# KiCad board Keyboard.kicad_pcb (continued)
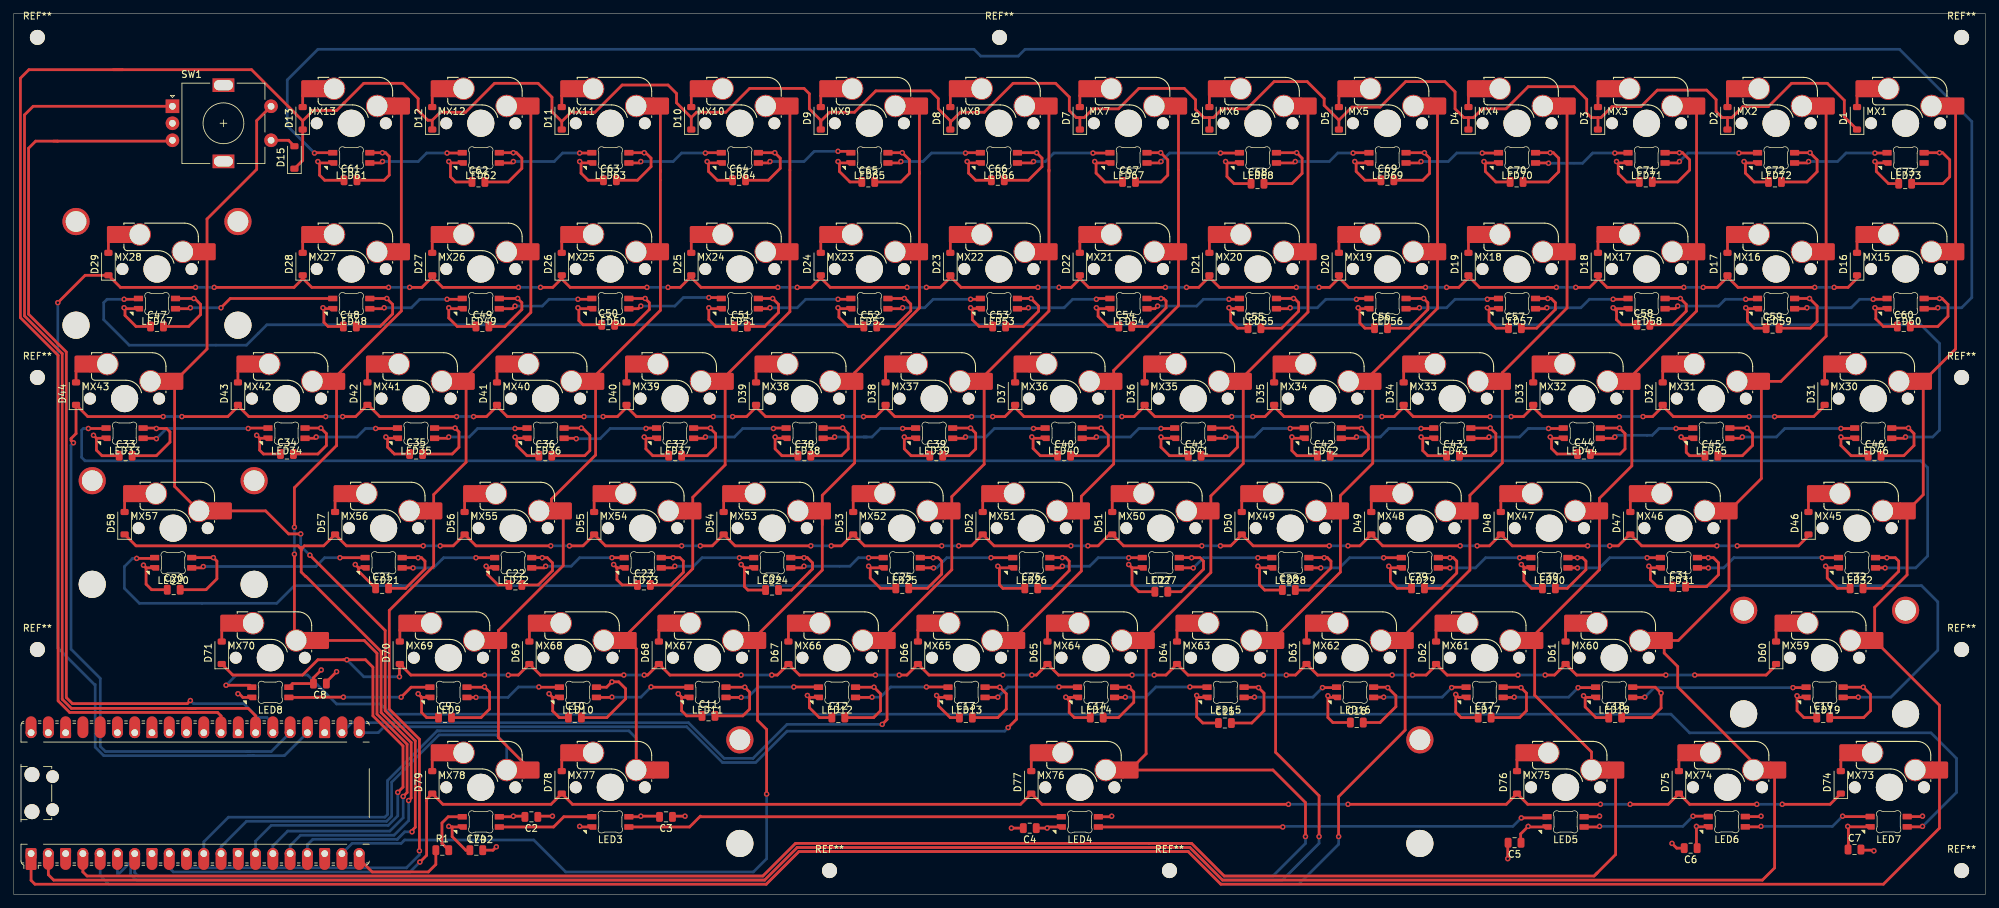
[diagram p0: board, top side]
## Nets
+5V: A1.40 C2.2 C3.2 C4.2 C5.2 C6.2 C7.2 C8.2 C9.2 C10.2 C11.2 C12.2 C13.2 C14.2 C15.2 C16.2 C17.2 C18.2 C19.2 C20.2 C21.2 C22.2 C23.2 C24.2 C25.2 C26.2 C27.2 C28.2 C29.2 C30.2 C31.2 C32.2 C33.2 C34.2 C35.2 C36.2 C37.2 C38.2 C39.2 C40.2 C41.2 C42.2 C43.2 C44.2 C45.2 C46.2 C47.2 C48.2 C49.2 C50.2 C51.2 C52.2 C53.2 C54.2 C55.2 C56.2 C57.2 C58.2 C59.2 C60.2 C61.2 C62.2 C63.2 C64.2 C65.2 C66.2 C67.2 C68.2 C69.2 C70.2 C71.2 C72.2 C73.2 C74.2 LED2.1 LED3.1 LED4.1 LED5.1 LED6.1 LED7.1 LED8.1 LED9.1 LED10.1 LED11.1 LED12.1 LED13.1 LED14.1 LED15.1 LED16.1 LED17.1 LED18.1 LED19.1 LED20.1 LED21.1 LED22.1 LED23.1 LED24.1 LED25.1 LED26.1 LED27.1 LED28.1 LED29.1 LED30.1 LED31.1 LED32.1 LED33.1 LED34.1 LED35.1 LED36.1 LED37.1 LED38.1 LED39.1 LED40.1 LED41.1 LED42.1 LED43.1 LED44.1 LED45.1 LED46.1 LED47.1 LED48.1 LED49.1 LED50.1 LED51.1 LED52.1 LED53.1 LED54.1 LED55.1 LED56.1 LED57.1 LED58.1 LED59.1 LED60.1 LED61.1 LED62.1 LED63.1 LED64.1 LED65.1 LED66.1 LED67.1 LED68.1 LED69.1 LED70.1 LED71.1 LED72.1 LED73.1
GND: A1.3 A1.8 A1.13 A1.18 A1.23 A1.28 A1.33 A1.38 C2.1 C3.1 C4.1 C5.1 C6.1 C7.1 C8.1 C9.1 C10.1 C11.1 C12.1 C13.1 C14.1 C15.1 C16.1 C17.1 C18.1 C19.1 C20.1 C21.1 C22.1 C23.1 C24.1 C25.1 C26.1 C27.1 C28.1 C29.1 C30.1 C31.1 C32.1 C33.1 C34.1 C35.1 C36.1 C37.1 C38.1 C39.1 C40.1 C41.1 C42.1 C43.1 C44.1 C45.1 C46.1 C47.1 C48.1 C49.1 C50.1 C51.1 C52.1 C53.1 C54.1 C55.1 C56.1 C57.1 C58.1 C59.1 C60.1 C61.1 C62.1 C63.1 C64.1 C65.1 C66.1 C67.1 C68.1 C69.1 C70.1 C71.1 C72.1 C73.1 C74.1 LED2.4 LED3.4 LED4.4 LED5.4 LED6.4 LED7.4 LED8.4 LED9.4 LED10.4 LED11.4 LED12.4 LED13.4 LED14.4 LED15.4 LED16.4 LED17.4 LED18.4 LED19.4 LED20.4 LED21.4 LED22.4 LED23.4 LED24.4 LED25.4 LED26.4 LED27.4 LED28.4 LED29.4 LED30.4 LED31.4 LED32.4 LED33.4 LED34.4 LED35.4 LED36.4 LED37.4 LED38.4 LED39.4 LED40.4 LED41.4 LED42.4 LED43.4 LED44.4 LED45.4 LED46.4 LED47.4 LED48.4 LED49.4 LED50.4 LED51.4 LED52.4 LED53.4 LED54.4 LED55.4 LED56.4 LED57.4 LED58.4 LED59.4 LED60.4 LED61.4 LED62.4 LED63.4 LED64.4 LED65.4 LED66.4 LED67.4 LED68.4 LED69.4 LED70.4 LED71.4 LED72.4 LED73.4 SW1.C
Col 1: A1.1 MX1.1 MX15.1 MX30.1 MX45.1 MX59.1 MX73.1
Col 2: A1.2 MX2.1 MX16.1 MX31.1 MX46.1 MX60.1 MX74.1
Col 3: A1.4 MX3.1 MX17.1 MX32.1 MX47.1 MX61.1 MX75.1
Col 4: A1.5 MX4.1 MX18.1 MX33.1 MX48.1 MX62.1
Col 5: A1.6 MX5.1 MX19.1 MX34.1 MX49.1 MX63.1
Col 6: A1.7 MX6.1 MX20.1 MX35.1 MX50.1 MX64.1 MX76.1
Col 7: A1.21 MX7.1 MX21.1 MX36.1 MX51.1 MX65.1
Col 8: A1.22 MX8.1 MX22.1 MX37.1 MX52.1 MX66.1
Col 9: A1.19 MX9.1 MX23.1 MX38.1 MX53.1 MX67.1
Col 10: A1.11 MX10.1 MX24.1 MX39.1 MX54.1 MX68.1 MX77.1
Col 11: A1.12 MX11.1 MX25.1 MX40.1 MX55.1 MX69.1 MX78.1
Col 12: A1.10 MX12.1 MX26.1 MX41.1 MX56.1
Col 13: A1.15 MX13.1 MX27.1 MX42.1 MX70.1
Col 14: A1.17 MX28.1 MX43.1 MX57.1 SW1.S2
GPIO A: A1.26 SW1.B
GPIO B: A1.27 SW1.A
LED In: A1.20 R1.1
Row 1: A1.29 D1.1 D2.1 D3.1 D4.1 D5.1 D6.1 D7.1 D8.1 D9.1 D10.1 D11.1 D12.1 D13.1 D15.1
Row 2: A1.24 D16.1 D17.1 D18.1 D19.1 D20.1 D21.1 D22.1 D23.1 D24.1 D25.1 D26.1 D27.1 D28.1 D29.1
Row 3: A1.25 D31.1 D32.1 D33.1 D34.1 D35.1 D36.1 D37.1 D38.1 D39.1 D40.1 D41.1 D42.1 D43.1 D44.1
Row 4: A1.16 D46.1 D47.1 D48.1 D49.1 D50.1 D51.1 D52.1 D53.1 D54.1 D55.1 D56.1 D57.1 D58.1
Row 5: A1.14 D60.1 D61.1 D62.1 D63.1 D64.1 D65.1 D66.1 D67.1 D68.1 D69.1 D70.1 D71.1
Row 6: A1.9 D74.1 D75.1 D76.1 D77.1 D78.1 D79.1
Net-(D1-A): D1.2 MX1.2
Net-(D2-A): D2.2 MX2.2
Net-(D3-A): D3.2 MX3.2
Net-(D4-A): D4.2 MX4.2
Net-(D5-A): D5.2 MX5.2
Net-(D6-A): D6.2 MX6.2
Net-(D7-A): D7.2 MX7.2
Net-(D8-A): D8.2 MX8.2
Net-(D9-A): D9.2 MX9.2
Net-(D10-A): D10.2 MX10.2
Net-(D11-A): D11.2 MX11.2
Net-(D12-A): D12.2 MX12.2
Net-(D13-A): D13.2 MX13.2
Net-(D15-A): D15.2 SW1.S1
Net-(D16-A): D16.2 MX15.2
Net-(D17-A): D17.2 MX16.2
Net-(D18-A): D18.2 MX17.2
Net-(D19-A): D19.2 MX18.2
Net-(D20-A): D20.2 MX19.2
Net-(D21-A): D21.2 MX20.2
Net-(D22-A): D22.2 MX21.2
Net-(D23-A): D23.2 MX22.2
Net-(D24-A): D24.2 MX23.2
Net-(D25-A): D25.2 MX24.2
Net-(D26-A): D26.2 MX25.2
Net-(D27-A): D27.2 MX26.2
Net-(D28-A): D28.2 MX27.2
Net-(D29-A): D29.2 MX28.2
Net-(D31-A): D31.2 MX30.2
Net-(D32-A): D32.2 MX31.2
Net-(D33-A): D33.2 MX32.2
Net-(D34-A): D34.2 MX33.2
Net-(D35-A): D35.2 MX34.2
Net-(D36-A): D36.2 MX35.2
Net-(D37-A): D37.2 MX36.2
Net-(D38-A): D38.2 MX37.2
Net-(D39-A): D39.2 MX38.2
Net-(D40-A): D40.2 MX39.2
Net-(D41-A): D41.2 MX40.2
Net-(D42-A): D42.2 MX41.2
Net-(D43-A): D43.2 MX42.2
Net-(D44-A): D44.2 MX43.2
Net-(D46-A): D46.2 MX45.2
Net-(D47-A): D47.2 MX46.2
Net-(D48-A): D48.2 MX47.2
Net-(D49-A): D49.2 MX48.2
Net-(D50-A): D50.2 MX49.2
Net-(D51-A): D51.2 MX50.2
Net-(D52-A): D52.2 MX51.2
Net-(D53-A): D53.2 MX52.2
Net-(D54-A): D54.2 MX53.2
Net-(D55-A): D55.2 MX54.2
Net-(D56-A): D56.2 MX55.2
Net-(D57-A): D57.2 MX56.2
Net-(D58-A): D58.2 MX57.2
Net-(D60-A): D60.2 MX59.2
Net-(D61-A): D61.2 MX60.2
Net-(D62-A): D62.2 MX61.2
Net-(D63-A): D63.2 MX62.2
Net-(D64-A): D64.2 MX63.2
Net-(D65-A): D65.2 MX64.2
Net-(D66-A): D66.2 MX65.2
Net-(D67-A): D67.2 MX66.2
Net-(D68-A): D68.2 MX67.2
Net-(D69-A): D69.2 MX68.2
Net-(D70-A): D70.2 MX69.2
Net-(D71-A): D71.2 MX70.2
Net-(D74-A): D74.2 MX73.2
Net-(D75-A): D75.2 MX74.2
Net-(D76-A): D76.2 MX75.2
Net-(D77-A): D77.2 MX76.2
Net-(D78-A): D78.2 MX77.2
Net-(D79-A): D79.2 MX78.2
Net-(LED2-DIN): LED2.3 R1.2
Net-(LED2-DOUT): LED2.2 LED3.3
Net-(LED3-DOUT): LED3.2 LED4.3
Net-(LED4-DOUT): LED4.2 LED5.3
Net-(LED5-DOUT): LED5.2 LED6.3
Net-(LED6-DOUT): LED6.2 LED7.3
Net-(LED7-DOUT): LED7.2 LED8.3
Net-(LED8-DOUT): LED8.2 LED9.3
Net-(LED10-DIN): LED9.2 LED10.3
Net-(LED10-DOUT): LED10.2 LED11.3
Net-(LED11-DOUT): LED11.2 LED12.3
Net-(LED12-DOUT): LED12.2 LED13.3
Net-(LED13-DOUT): LED13.2 LED14.3
Net-(LED14-DOUT): LED14.2 LED15.3
Net-(LED15-DOUT): LED15.2 LED16.3
Net-(LED16-DOUT): LED16.2 LED17.3
Net-(LED17-DOUT): LED17.2 LED18.3
Net-(LED18-DOUT): LED18.2 LED19.3
Net-(LED19-DOUT): LED19.2 LED20.3
Net-(LED20-DOUT): LED20.2 LED21.3
Net-(LED21-DOUT): LED21.2 LED22.3
Net-(LED22-DOUT): LED22.2 LED23.3
Net-(LED23-DOUT): LED23.2 LED24.3
Net-(LED24-DOUT): LED24.2 LED25.3
Net-(LED25-DOUT): LED25.2 LED26.3
Net-(LED26-DOUT): LED26.2 LED27.3
Net-(LED27-DOUT): LED27.2 LED28.3
Net-(LED28-DOUT): LED28.2 LED29.3
Net-(LED29-DOUT): LED29.2 LED30.3
Net-(LED30-DOUT): LED30.2 LED31.3
Net-(LED31-DOUT): LED31.2 LED32.3
Net-(LED32-DOUT): LED32.2 LED33.3
Net-(LED33-DOUT): LED33.2 LED34.3
Net-(LED34-DOUT): LED34.2 LED35.3
Net-(LED35-DOUT): LED35.2 LED36.3
Net-(LED36-DOUT): LED36.2 LED37.3
Net-(LED37-DOUT): LED37.2 LED38.3
Net-(LED38-DOUT): LED38.2 LED39.3
Net-(LED39-DOUT): LED39.2 LED40.3
Net-(LED40-DOUT): LED40.2 LED41.3
Net-(LED41-DOUT): LED41.2 LED42.3
Net-(LED42-DOUT): LED42.2 LED43.3
Net-(LED43-DOUT): LED43.2 LED44.3
Net-(LED44-DOUT): LED44.2 LED45.3
Net-(LED45-DOUT): LED45.2 LED46.3
Net-(LED46-DOUT): LED46.2 LED47.3
Net-(LED47-DOUT): LED47.2 LED48.3
Net-(LED48-DOUT): LED48.2 LED49.3
Net-(LED49-DOUT): LED49.2 LED50.3
Net-(LED50-DOUT): LED50.2 LED51.3
Net-(LED51-DOUT): LED51.2 LED52.3
Net-(LED52-DOUT): LED52.2 LED53.3
Net-(LED53-DOUT): LED53.2 LED54.3
Net-(LED54-DOUT): LED54.2 LED55.3
Net-(LED55-DOUT): LED55.2 LED56.3
Net-(LED56-DOUT): LED56.2 LED57.3
Net-(LED57-DOUT): LED57.2 LED58.3
Net-(LED58-DOUT): LED58.2 LED59.3
Net-(LED59-DOUT): LED59.2 LED60.3
Net-(LED60-DOUT): LED60.2 LED61.3
Net-(LED61-DOUT): LED61.2 LED62.3
Net-(LED62-DOUT): LED62.2 LED63.3
Net-(LED63-DOUT): LED63.2 LED64.3
Net-(LED64-DOUT): LED64.2 LED65.3
Net-(LED65-DOUT): LED65.2 LED66.3
Net-(LED66-DOUT): LED66.2 LED67.3
Net-(LED67-DOUT): LED67.2 LED68.3
Net-(LED68-DOUT): LED68.2 LED69.3
Net-(LED69-DOUT): LED69.2 LED70.3
Net-(LED70-DOUT): LED70.2 LED71.3
Net-(LED71-DOUT): LED71.2 LED72.3
Net-(LED72-DOUT): LED72.2 LED73.3

Pads without a net: A1 30 31 32 34 35 36 37 39; LED73 2; SW1 MP

## Via types
v1: diameter 0.8, hole 0.4, Top to Bottom, 411 vias

## Routing (per net, layer and track width the routed paths; a pad name or vN(x,y) marks a point on that pad's centre or on a via; arc(x,y) is an arc through that point)
+5V: length 773.1
  Top w0.4: C25.2 134.4,45 136.5,47.1 136.5,49 136,49.5 v1(135.25,49.5) 135.24,49.51 LED25.1 ; C37.2 102,64.5 103.25,65.75 103.25,67.75 102.5,68.5 v1(102.5,68.56) LED37.1 ; C60.2 283,83.5 284.5,85 284.5,86.75 283.64,87.61 v1(283.25,87.61) LED60.1 ; C71.2 244.75,104.75 246.5,106.5 246.5,108 245.45,109.05 LED71.1 ; LED13.1 v1(145.04,30.46) 146,29.5 146,27.25 144.75,26 C13.2 ; C10.2 87.25,26 90,28.75 90,30.25 89,31.25 v1(88,31.25) 87.21,30.46 LED10.1 ; C66.2 149.25,105 151.25,107 151.25,108.25 v1(150.45,109.05) LED66.1 ; LED70.1 v1(226,109.05) 226.45,109.05 227.25,108.25 227.25,106.25 225.75,104.75 C70.2 ; C23.2 96.65,45.5 98.5,47.35 98.5,49 98,49.5 v1(97,49.5) 96.99,49.51 LED23.1 ; v1(45.19,68.56) 46,67.75 46,66 44.75,64.75 C34.2 ; v1(45.19,68.56) LED34.1 ; v1(45.19,68.56) 45.25,68.5 ; C47.2 25.75,83.5 27.5,85.25 27.5,86.75 26.64,87.61 v1(26.5,87.61) LED47.1 ; C40.2 159.5,64.5 161,66 161,67.5 v1(159.94,68.56) LED40.1 ; v1(243.9,7.5) 244.6,6.8 C6.2 ; LED17.1 221.64,30.46 v1(221.7,30.4) 222.5,29.6 222.5,27 221.5,26 C17.2 ; LED38.1 v1(121.94,68.56) 122.75,67.75 122.75,65.5 121.75,64.5 C38.2 ; LED28.1 192.74,49.51 v1(192.75,49.5) 193.25,49.5 193.75,49 193.75,48 190.5,44.75 C28.2 ; C61.2 54.5,105 55.25,105.75 55.25,108.5 54.71,109.05 v1(54.25,109.05) LED61.1 ; LED33.1 20.94,68.56 v1(21,68.5) 22.5,68.5 23,68 23,66.5 21,64.5 C33.2 ; LED29.1 211.24,49.51 v1(211.25,49.5) 211.75,49.5 212.25,49 212.25,47.25 210,45 C29.2 ; C52.2 129.65,83.5 131.95,85.8 131.95,86.8 131.14,87.61 v1(131,87.61) LED52.1 ; C16.2 200.97,25.27 203.3,27.6 203.3,29.2 v1(202.1,30.4) 202.04,30.46 200.02,30.46 ; LED24.1 116.24,49.51 v1(116.25,49.5) ; 219.75,7.5 v1(219.75,5.25) ; C27.2 171.69,44.5 175,47.81 175,49 174.5,49.5 v1(173.25,49.5) 173.24,49.51 LED27.1 ; C43.2 217.25,64.5 218,65.25 218,67.75 v1(217.19,68.56) LED43.1 ; LED49.1 v1(74.14,87.61) 74.75,87 74.75,86 72.25,83.5 C49.2 ; LED50.1 v1(92.89,87.61) 93.5,87 93.5,86 91.25,83.75 C50.2 ; LED48.1 v1(54.89,87.61) 55.75,86.75 55.75,85.35 53.9,83.5 C48.2 ; C74.2 70.5,6.5 v1(71,7) ; C57.2 224,83.25 226.75,86 226.75,87 226.14,87.61 v1(225.64,87.61) LED57.1 ; C54.2 166.75,83.5 169.5,86.25 169.5,87.25 169.14,87.61 v1(168.75,87.61) LED54.1 ; LED46.1 v1(278.69,68.56) 279.5,67.75 279.5,66 278,64.5 C46.2 ; LED30.1 229.99,49.51 v1(230,49.5) 230.75,49.5 231.25,49 231.25,47.75 228.5,45 C30.2 ; C35.2 64.5,64.75 65.5,65.75 65.5,68 v1(64.94,68.56) LED35.1 ; v1(280.75,11.5) 280.69,11.44 LED7.1 ; C58.2 244,83.75 246,85.75 246,86.75 v1(245.14,87.61) LED58.1 ; LED36.1 v1(83.5,68.56) 83.69,68.56 84.75,67.5 84.75,65.25 84,64.5 C36.2 ; LED4.1 161.41,11.41 v1(161.5,11.5) ; 148.6,9.75 v1(146.75,9.75) ; C39.2 140.5,64.5 141.5,65.5 141.5,67.81 v1(140.75,68.56) LED39.1 ; v1(273.6,6.4) 273.5,6.5 271.75,6.5 ; C41.2 178.75,64.5 180,65.75 180,67.75 v1(179.19,68.56) LED41.1 ; C21.2 57.65,45 60.5,47.85 60.5,49 60,49.5 v1(59.5,49.5) 59.49,49.51 LED21.1 ; LED18.1 241.44,30.46 v1(242.3,29.6) 242.3,27.4 240.9,26 C18.2 ; LED59.1 v1(264.14,87.61) 265.25,86.5 265.25,84.25 264.25,83.25 C59.2 ; LED22.1 77.74,49.51 v1(77.75,49.5) 78.5,49.5 79.25,48.75 79.25,47.6 77.15,45.5 C22.2 ; C32.2 274.75,45 277.25,47.5 277.25,49 276.75,49.5 v1(275.5,49.5) 275.49,49.51 LED32.1 ; LED62.1 v1(73.5,109.05) 73.96,109.05 74.75,108.25 74.75,106.75 72.75,104.75 C62.2 ; LED31.1 249.24,49.51 v1(249.25,49.5) 250,49.5 250.75,48.75 250.75,47 249,45.25 C31.2 ; LED65.1 v1(130.71,109.05) 131.75,108 131.75,106 130.5,104.75 C65.2 ; v1(116.25,49.5) 116,49.5 ; v1(116.25,49.5) 116.75,49.5 117.5,48.75 117.5,47.85 114.4,44.75 C24.2 ; LED42.1 198.19,68.56 v1(198.25,68.5) 199.25,67.5 199.25,65.5 198.25,64.5 C42.2 ; v1(233.25,11.5) 233.16,11.41 LED5.1 ; C14.2 162.5,26 164.75,28.25 164.75,29.75 v1(164.04,30.46) LED14.1 ; C19.2 272.1,26 273.1,27 273.1,29.4 v1(272.04,30.46) LED19.1 ; LED44.1 v1(236.19,68.56) 237,67.75 237,65.5 236.25,64.75 C44.2 ; 71.64,11.41 73.41,11.41 ; C73.2 283.75,104.5 284.75,105.5 284.75,108 283.7,109.05 v1(283.25,109.05) LED73.1 ; LED51.1 v1(111.64,87.61) 112.5,86.75 112.5,85.55 110.45,83.5 C51.2 ; LED15.1 183.04,30.46 v1(183.1,30.4) 183.9,29.6 183.9,27 182.1,25.2 C15.2 ; C9.2 68.75,26 70,27.25 70,29.75 v1(69.25,30.5) 69.21,30.46 66.68,30.46 ; C69.2 207.25,105 208.25,106 208.25,108.25 207.5,109 v1(207.5,109.05) LED69.1 ; C68.2 188,104.5 189.5,106 189.5,108.25 v1(188.7,109.05) LED68.1 ; LED8.1 41.02,31 C8.2 44.1,31.85 v1(45.25,33) ; C64.2 111,105 112.75,106.75 112.75,108.25 v1(111.96,109.05) LED64.1 ; LED53.1 v1(149.64,87.61) 150.75,86.5 150.75,85.75 148.5,83.5 C53.2 ; C55.2 186.5,83.25 189,85.75 189,87 188.39,87.61 v1(188.25,87.61) LED55.1 ; LED20.1 v1(29.39,49.51) 29.9,49 29.9,46.4 28.3,44.8 C20.2 ; LED6.1 256.94,11.44 v1(257,11.5) ; LED63.1 v1(92.75,109.05) 92.96,109.05 93.75,108.25 93.75,107 91.75,105 C63.2 ; v1(126.54,30.46) 126.62,30.38 ; v1(126.54,30.46) 127.5,29.5 127.5,27 126.5,26 C12.2 ; v1(126.54,30.46) LED12.1 ; LED72.1 v1(264.2,109.05) 265.25,108 265.25,106.25 263.75,104.75 C72.2 ; LED26.1 v1(154.25,49.51) 154.26,49.5 154.75,49.5 155.25,49 155.25,47.6 152.65,45 C26.2 ; LED67.1 v1(168.7,109.05) 169.75,108 169.75,105.75 168.75,104.75 C67.2 ; LED45.1 v1(254.94,68.56) 255.75,67.75 255.75,66 254.25,64.5 C45.2 ; C56.2 205.25,83.25 208,86 208,87 v1(207.39,87.61) LED56.1 ; 94.85,11.5 v1(92.25,11.5) 92.16,11.41 LED3.1 ; 75.21,11.5 v1(73.5,11.5) ; C11.2 107.25,26.25 108.25,27.25 108.25,29.75 v1(107.54,30.46) LED11.1
  vias: v1(245,109.05)
GND: length 521.5
  Top w0.4: 45.64,86.11 v1(45.5,86.25) ; 45.64,86.11 LED48.4 ; 45.64,86.11 45.64,84.11 46.25,83.5 C48.1 ; 269.85,6.5 269.85,9.9 v1(269.75,10) 269.81,9.94 LED7.4 ; C54.1 161,83.5 159.5,85 159.5,86 v1(159.25,86.25) 159.39,86.11 LED54.4 ; C56.1 198.75,83.25 198,84 198,86 v1(197.75,86.25) 197.89,86.11 LED56.4 ; C29.1 203.5,45 202.49,46.01 202.49,48.01 ; LED58.4 235.39,86.11 v1(235.25,86.25) 235.75,85.75 235.75,84.5 236.5,83.75 C58.1 ; LED27.4 164.49,48.01 ; 164.49,48.01 v1(164,48.5) ; 164.49,48.01 164.49,45.51 165.5,44.5 C27.1 ; v1(64,10) 64.09,9.91 64.5,9.91 ; C15.1 174.9,25.2 174,26.1 v1(174,29.25) 174.29,28.96 LED15.4 ; 64.5,9.91 64.5,8.5 66.5,6.5 C74.1 ; 64.5,9.91 LED2.4 ; 273.95,107.55 v1(273.75,107.75) ; 273.95,107.55 LED73.4 ; 273.95,107.55 273.95,106.3 275.75,104.5 C73.1 ; 202.49,48.01 v1(202.25,48.25) ; 202.49,48.01 LED29.4 ; 50.74,48.01 v1(50.25,48.5) ; 50.74,48.01 50.74,47.51 C21.1 ; 50.74,48.01 LED21.4 ; C72.1 256,104.75 254.7,106.05 254.7,107.55 ; 83.46,107.55 83.46,106.05 84.5,105 C63.1 ; 83.46,107.55 v1(83.25,107.75) ; 83.46,107.55 LED63.4 ; C59.1 256,83.25 255,84.25 255,86 v1(254.75,86.25) 254.89,86.11 LED59.4 ; v1(35.75,67.5) 36.19,67.06 ; 36.19,67.06 36.19,65.31 36.75,64.75 C34.1 ; 36.19,67.06 LED34.4 ; LED24.4 107.49,48.01 ; 107.49,48.01 v1(107,48.5) ; 107.49,48.01 107.49,45.26 108,44.75 C24.1 ; C41.1 170,64.5 168.75,65.75 v1(168.75,67.25) 168.94,67.06 LED41.4 ; 83.14,86.11 83.14,84.36 83.75,83.75 C50.1 ; 83.14,86.11 LED50.4 ; 83.14,86.11 v1(83,86.25) ; LED51.4 102.39,86.11 v1(102.25,86.25) 102.25,84.5 103.25,83.5 C51.1 ; 74,67.06 74,66 75.5,64.5 C36.1 ; 74,67.06 73.94,67.06 v1(73.75,67.25) ; 74,67.06 LED36.4 ; 207.19,67.06 207.25,67 207.25,65.25 208,64.5 C43.1 ; 207.19,67.06 LED43.4 ; 207.19,67.06 v1(207,67.25) ; LED5.4 222.84,9.91 v1(222.75,10) 221.65,8.9 221.65,7.5 ; LED49.4 64.14,86.11 v1(64,86.25) 64,84.75 65.25,83.5 C49.1 ; 216.45,107.55 216.45,106.3 218,104.75 C70.1 ; 216.45,107.55 v1(216.25,107.75) ; 216.45,107.55 LED70.4 ; LED61.4 44.96,107.55 ; 44.96,107.55 45,107.5 45,105.75 45.75,105 C61.1 ; 44.96,107.55 v1(44.75,107.75) ; 222.12,48.12 222.12,46.12 223.25,45 C30.1 ; 222.12,48.12 v1(221.75,48.5) ; 222.12,48.12 222.24,48.01 LED30.4 ; C71.1 237.25,104.75 236,106 236,107.5 235.95,107.55 ; 240.74,48.01 240.74,46.26 241.75,45.25 C31.1 ; 240.74,48.01 LED31.4 ; 240.74,48.01 v1(240.5,48.25) ; C20.1 20.3,44.8 19.49,45.61 19.49,48.01 ; C67.1 160.5,104.75 159.2,106.05 159.2,107.55 ; C28.1 184,44.75 183.24,45.51 183.24,48.01 ; LED6.4 247.56,9.94 v1(247.5,10) 247.5,6.9 C6.1 ; LED69.4 197.45,107.55 ; 197.45,107.55 v1(197.25,107.75) ; 197.45,107.55 197.45,106.3 198.75,105 C69.1 ; 117.04,28.96 117.04,27.46 118.5,26 C12.1 ; 117.04,28.96 LED12.4 ; 117.04,28.96 v1(116.75,29.25) ; LED45.4 245.44,67.06 v1(245.25,67.25) 246,66.5 246,65 246.5,64.5 C45.1 ; LED4.4 152.16,9.91 v1(152,9.75) 150.5,9.75 ; 254.7,107.55 v1(254.5,107.75) ; 254.7,107.55 LED72.4 ; 79.29,28.96 79.29,26.96 80.25,26 C10.1 ; 79.29,28.96 v1(78.75,29.5) ; 79.29,28.96 LED10.4 ; LED28.4 183.24,48.01 ; 183.24,48.01 v1(183,48.25) ; 273.89,86.11 273.89,84.61 275,83.5 C60.1 ; 273.89,86.11 LED60.4 ; 273.89,86.11 v1(273.75,86.25) ; 59.88,29.12 v1(59.5,29.5) ; 59.88,29.12 60.04,28.96 LED9.4 ; 59.88,29.12 60,29 60,26.75 60.75,26 C9.1 ; 140.46,107.55 v1(140.25,107.75) ; 140.46,107.55 LED66.4 ; 140.46,107.55 140.46,106.05 141.5,105 C66.1 ; LED65.4 121.46,107.55 ; 121.46,107.55 121.46,106.3 123,104.75 C65.1 ; 121.46,107.55 v1(121.25,107.75) ; 235.95,107.55 v1(235.75,107.75) ; 235.95,107.55 LED71.4 ; C52.1 122.75,83.5 121.39,84.86 121.39,86.11 ; v1(83.25,10) 83.34,9.91 LED3.4 ; 35,29 LED8.4 33.71,28.96 33.18,29.5 v1(33,29.5) ; C55.1 180,83.25 179,84.25 179,86 v1(178.75,86.25) 178.89,86.11 LED55.4 ; C32.1 268.25,45 266.74,46.51 266.74,48.01 ; 12.19,67.06 v1(11.75,67.5) ; 12.19,67.06 LED33.4 ; 12.19,67.06 12.19,65.31 13,64.5 C33.1 ; C23.1 89.5,45.5 88.74,46.26 88.74,48.01 ; 99.32,28.96 98.29,28.96 98.25,29 ; LED13.4 136.04,28.96 ; 136.04,28.96 v1(135.75,29.25) ; 136.04,28.96 136.04,27.71 137.75,26 C13.1 ; 121.39,86.11 v1(121.25,86.25) ; 121.39,86.11 LED52.4 ; 125.99,48.01 125.99,46.51 127.5,45 C25.1 ; 125.99,48.01 v1(125.75,48.25) ; 125.99,48.01 LED25.4 ; 88.74,48.01 LED23.4 ; 88.74,48.01 v1(88.25,48.5) ; 102.21,107.55 v1(102,107.75) ; 102.21,107.55 102.21,106.3 103.5,105 C64.1 ; 102.21,107.55 LED64.4 ; C35.1 56,64.75 55,65.75 55,67 v1(54.75,67.25) 54.94,67.06 LED35.4 ; 155.25,28.5 v1(154.75,29) 154.79,28.96 155.4,28.96 ; 155.25,28.5 155.25,26.75 156,26 C14.1 ; 155.25,28.5 155.25,28.81 155.4,28.96 ; C46.1 270.25,64.5 268.75,66 v1(268.75,67.25) 268.94,67.06 LED46.4 ; 98.25,29 98.25,27 99,26.25 C11.1 ; 98.25,29 v1(97.75,29.5) ; v1(47.5,32.75) 46,31.25 C8.1 ; 178.45,107.55 v1(178.25,107.75) ; 178.45,107.55 LED68.4 ; 178.45,107.55 178.45,105.55 179.5,104.5 C68.1 ; C40.1 151,64.5 149.94,65.56 149.94,67.06 ; C19.1 263.3,26 262.3,27 v1(262.3,29.2) 262.54,28.96 LED19.4 ; 149.94,67.06 v1(149.75,67.25) ; 149.94,67.06 LED40.4 ; 231.14,28.96 v1(230.9,29.2) ; 231.14,28.96 232.68,28.96 ; 231.14,28.96 231.14,27.56 232.7,26 C18.1 ; LED16.4 193.54,28.96 v1(193.3,29.2) 193.3,26 194.03,25.27 C16.1 ; LED57.4 216.89,86.11 v1(216.75,86.25) 217,86 217,84.25 218,83.25 C57.1 ; 19.49,48.01 v1(19.1,48.4) ; 19.49,48.01 LED20.4 ; C26.1 145.5,45 144.99,45.51 144.99,48.01 ; v1(79.25,11.5) 77.11,11.5 ; 266.74,48.01 LED32.4 ; 266.74,48.01 v1(266.5,48.25) ; LED26.4 144.99,48.01 ; 144.99,48.01 v1(144.75,48.25) ; 159.2,107.55 LED67.4 ; 159.2,107.55 v1(159,107.75) ; C42.1 188.75,64.5 188,65.25 v1(188,67.25) 188.19,67.06 LED42.4 ; C38.1 113,64.5 112,65.5 v1(112,67.25) 112.19,67.06 LED38.4 ; LED37.4 92.94,67.06 v1(92.75,67.25) 93,67 93,65.5 94,64.5 C37.1 ; C47.1 18,83.5 16.39,85.11 16.39,86.11 ; 16.39,86.11 v1(16.25,86.25) ; 16.39,86.11 LED47.4 ; LED22.4 69.74,48.01 v1(69.5,48.25) 69.75,48 69.75,47 71.25,45.5 C22.1 ; LED53.4 140.89,86.11 v1(140.75,86.25) 141,86 141,84.5 142,83.5 C53.1 ; 155.4,28.96 156.48,28.96 ; LED17.4 212.54,28.96 v1(212.1,29.4) 212.1,26.8 212.9,26 C17.1 ; C44.1 227,64.75 226.19,65.56 226.19,67.06 ; C39.1 132,64.5 131,65.5 v1(131,67.25) 131.19,67.06 LED39.4 ; LED62.4 64.21,107.55 v1(64,107.75) 64.25,107.5 64.25,105.5 65,104.75 C62.1 ; 96.75,11.5 v1(98.75,11.5) ; 226.19,67.06 v1(226,67.25) ; 226.19,67.06 LED44.4
Col 1: length 406.5
  Top w0.4: A1.1 2.57,2.07 3.14,1.5 110.7,1.5 115.5,6.3 172.75,6.3 177.55,1.5 275,1.5 283.24,9.74 MX73.1 283.24,27.81 MX59.1 273.72,42.22 278.48,46.98 MX45.1 280.86,58.77 MX30.1 285.62,80.2 MX15.1 MX1.1
Col 2: length 394.6
  Top w0.4: A1.2 5.11,2.89 5.9,2.1 110.45,2.1 115.25,6.9 173,6.9 177.8,2.1 257.2,2.1 259,3.9 259,17.85 MX74.1 256.97,18.28 244.75,30.5 244.75,33.5 242.76,35.49 MX60.1 244.83,37.33 252.29,44.78 MX46.1 257.05,61.15 MX31.1 259.93,75.43 266.57,82.07 MX16.1 MX2.1
Col 3: length 356.5
  Top w0.4: MX75.1 235.62,5.87 232.88,3.12 ; MX3.1 MX17.1 247.52,85.77 238,76.25 MX32.1 238,63 233.24,58.23 MX47.1 233.24,47.73 223.71,38.21 MX61.1 223.71,29.29 232.07,20.93 MX75.1 ; 232.88,3.12 232.45,2.7 178.05,2.7 173.25,7.5 115,7.5 110.2,2.7 10.8,2.7 10.19,3.31 A1.4 ; 232.88,3.12 232.7,2.95
Col 4: length 314.8
  Top w0.4: MX4.1 MX18.1 228.47,86.22 218.95,76.7 MX33.1 218.95,63.45 214.19,58.69 MX48.1 214.19,47.69 204.66,38.16 MX62.1 204.66,24.16 194.87,14.37 v1(194.87,8.5)
  Bottom w0.4: A1.5 12.73,2.77 14,1.5 110.7,1.5 115.5,6.3 172.75,6.3 177.55,1.5 189,1.5 194.87,7.37 v1(194.87,8.5)
Col 5: length 310
  Top w0.4: v1(192,8.5) 192,14.5 185.61,20.89 MX63.1 185.61,37.86 195.13,47.39 MX49.1 195.13,58.64 199.9,63.4 MX34.1 199.9,76.65 209.42,86.17 MX19.1 MX5.1
  Bottom w0.4: A1.6 15.27,2.83 17.21,4.77 17.21,2.94 18.05,2.1 110.45,2.1 115.25,6.9 173,6.9 177.8,2.1 186.6,2.1 192,7.5 v1(192,8.5)
Col 6: length 323.4
  Top w0.4: v1(190,8.5) 190,13.5 185.22,18.28 MX76.1 166.56,20.66 MX64.1 166.56,37.81 176.08,47.33 176.08,58.58 180.85,63.35 MX35.1 180.85,76.1 190.37,85.62 MX20.1 MX6.1
  Bottom w0.4: A1.7 17.81,3.19 18.3,2.7 110.2,2.7 115,7.5 173.25,7.5 178.05,2.7 185.2,2.7 190,7.5 v1(190,8.5)
Col 7: length 202.9
  Top w0.4: MX7.1 MX21.1 171.32,86.57 161.8,77.05 MX36.1 161.8,63.3 157.04,58.53 MX51.1 157.04,47.53 147.51,38.01 MX65.1 147.51,31.76 147.5,31.75 147.5,25.75 v1(146.28,24.53) ; MX21.1 170.29,93.79
  Bottom w0.4: A1.21 53.63,23.78 54.5,24.65 99,24.65 104.25,19.4 109.15,19.4 113.75,24 145.75,24 v1(146.28,24.53)
Col 8: length 185.6
  Top w0.4: 152.27,106.5 MX22.1 152.27,85.77 142.75,76.25 MX37.1 142.75,63.25 137.99,58.48 MX52.1 137.99,47.73 128.46,38.21 MX66.1 128.46,25.71 v1(127.75,25) ; 152.27,106.5 MX8.1 ; 152.27,106.5 152.27,106.25
  Bottom w0.4: v1(127.75,25) 113.75,25 108.75,20 104.5,20 99.25,25.25 49.76,25.25 A1.22
Col 9: length 189.4
  Top w0.4: 133.22,106 MX23.1 133.22,86.22 123.7,76.7 MX38.1 123.7,63.45 118.94,58.69 MX53.1 ; 133.22,106 133.22,106.25 ; 133.22,106 MX9.1 ; MX53.1 118.94,47.69 109.41,38.16 MX67.1 109.41,25.59 110.75,24.25 v1(110.75,14.75) ; MX53.1 118.94,54.35
  Bottom w0.4: A1.19 49.79,7.5 57,7.5 57.5,8 76.5,8 81.2,3.3 108.8,3.3 110.75,5.25 v1(110.75,14.75)
Col 10: length 188.6
  Top w0.4: MX77.1 91.57,36.12 MX68.1 90.36,38.36 99.88,47.89 99.88,58.39 104.65,63.15 MX39.1 104.65,76.15 114.17,85.67 MX24.1 MX10.1
  Bottom w0.4: 62.3,24.05 62.8,24.05 ; 62.3,24.05 90.5,24.05 91.57,22.98 MX77.1 ; 62.3,24.05 55,16.75 55,11.75 54.6,11.35 31.6,11.35 27.97,7.72 A1.11
Col 11: length 168.3
  Top w0.4: MX11.1 MX25.1 95.12,85.87 85.6,76.35 MX40.1 85.6,64.6 79.11,58.11 MX55.1 ; 84.57,74.74 MX40.1 83.93,75.43 ; MX78.1 71.31,23.05 MX69.1 71.31,38.81 80.84,48.33 MX55.1
  Bottom w0.4: MX78.1 72.52,21.92 71,23.45 62.55,23.45 55.6,16.5 55.6,11.5 54.85,10.75 34.25,10.75 30.51,7.01 A1.12
Col 12: length 157.8
  Top w0.4: 75.86,115.76 76.01,115.91 MX12.1 MX26.1 76.07,85.57 66.55,76.05 MX41.1 66.55,63.55 61.78,58.78 61.78,48.28 55.25,41.75 55.25,27.25 59.68,22.82 v1(59.68,6.4)
  Bottom w0.4: v1(59.68,6.4) 59.68,5.82 57.77,3.9 25.75,3.9 25.43,4.22 A1.10
Col 13: length 143.4
  Top w0.4: MX70.1 41.3,37.6 v1(41.3,50.02) ; 45.7,36.75 MX70.1 51.57,37.33 53.45,35.45 53.45,26.5 57.87,22.08 57.87,14.97 v1(57.3,14.4) ; v1(41.3,53.98) 41.3,59.8 47.5,66 47.5,66 MX42.1 47.5,76.25 57.02,85.77 MX27.1 MX13.1
  Bottom w0.4: v1(41.3,53.98) v1(41.3,50.02) ; A1.15 38.13,7.13 40.3,9.3 55.33,9.3 57.3,11.28 v1(57.3,14.4)
Col 14: length 148.5
  Top w0.4: MX57.1 37.07,56.38 40.45,53 v1(42.23,53) ; v1(58.6,9.2) 58.6,9.4 59.08,9.88 59.08,22.58 54.65,27 54.65,38.8 v1(43.58,49.88) ; 23.69,70 MX43.1 28.45,80.2 MX28.1 28.45,99.3 35.75,106.61 35.75,113.76 SW1.S2 ; 23.69,70 23.69,59.98 MX57.1 ; 23.69,70 23.69,69.66
  Bottom w0.4: 56.42,8.1 57.52,9.2 v1(58.6,9.2) ; 56.42,8.1 44,8.1 43.21,7.31 A1.17 ; 56.42,8.1 56.48,8.1 ; v1(42.23,53) 42.23,51.23 v1(43.58,49.88)
GPIO A: length 139
  Top w0.4: 5.85,110.75 6.5,110.75 ; 6.5,110.75 23.24,110.75 SW1.B ; 6.5,110.75 3.25,110.75 2.2,109.7 2.2,85.3 7.75,79.75 7.75,28.95 8.65,28.05 25.55,28.05 v1(26,28.5)
  Bottom w0.4: A1.26 38.13,25.12 37.25,26 35.91,26 33.86,28.05 26.45,28.05 v1(26,28.5)
GPIO B: length 142.7
  Top w0.4: 26.75,27.35 34.5,27.35 35.59,26.26 A1.27 ; 26.75,27.35 26.29,27.35 26.29,27.35 25.71,27.35 25.71,27.35 ; 26.75,27.35 8.5,27.35 7.15,28.7 7.15,79.5 1.6,85.05 1.6,114.6 2.88,115.88 SW1.A
LED In: length 14.6
  Top w0.4: A1.20 52.73,3.3 61,3.3 62.1,4.4 R1.1
Row 1: length 484.5
  Top w0.4: D11.1 80.62,113.63 ; 80.62,113.63 81.99,115 85.5,115 89.5,119 96.25,119 97.5,117.75 97.5,116.38 99.67,114.22 ; 80.62,113.63 79.18,115.07 79.18,117.21 77.14,119.25 70.73,119.25 66.48,115 62.75,115 61.57,113.82 ; 16,121.25 35,121.25 42.52,113.73 ; 16,121.25 2.25,121.25 1,120 1,84.8 6.55,79.25 6.55,28.45 8.25,26.75 30,26.75 30.51,26.24 A1.29 ; 16,121.25 14.65,121.25 ; 156.82,114.22 156.28,114.22 155.27,115.23 155.27,117.23 153.25,119.25 147,119.25 142.75,115 139.25,115 137.77,113.52 137.77,113.25 ; 156.82,114.22 157.47,114.22 158.75,115.5 162.5,115.5 165.5,118.5 172.17,118.5 173.83,116.83 173.83,115.42 175.03,114.22 175.87,114.22 ; 156.82,114.22 D7.1 ; 42.52,113.73 D13.1 42.52,107.92 D15.1 ; 42.52,113.73 44.04,115.25 47.5,115.25 48.62,116.38 ; 48.62,116.38 48.5,116.25 ; 48.62,116.38 51.5,119.25 57.25,119.25 59.5,117 59.5,115.25 60.93,113.82 61.57,113.82 ; 61.57,113.82 D12.1 ; 233.02,114.22 232.03,114.22 231.37,114.88 231.37,116.88 229.5,118.75 222.75,118.75 219.5,115.5 216,115.5 214.72,114.22 213.97,114.22 ; 233.02,114.22 233.47,114.22 235.07,115.82 239.32,115.82 241.75,118.25 249,118.25 250.39,116.86 250.39,115.11 251.28,114.22 252.07,114.22 ; 233.02,114.22 D3.1 ; 194.92,113.84 192.75,116.01 192.75,117 190.25,119.5 185.39,119.5 181.39,115.5 177.75,115.5 176.47,114.22 175.87,114.22 ; 194.92,113.84 D5.1 ; 194.92,113.84 196.82,115.75 200.98,115.75 204.73,119.5 210.5,119.5 212,118 212,115.5 213.28,114.22 213.97,114.22 ; 252.07,114.22 D2.1 ; 252.07,114.22 252.72,114.22 254.32,115.82 258.07,115.82 261.5,119.25 266.75,119.25 269.25,116.75 269.25,114.33 D1.1 ; 175.87,114.22 D6.1 ; 99.67,114.22 D10.1 ; 99.67,114.22 100.45,115 104.75,115 108.25,118.5 116.25,118.5 117.03,117.72 117.03,115.49 118.72,113.81 D9.1 118.72,113.69 120.03,115 123.67,115 126.81,118.13 134.87,118.13 136,117 136,115.5 137.77,113.73 137.77,113.25 ; 137.77,113.25 D8.1 ; 213.97,114.22 D4.1
Row 2: length 383.8
  Top w0.4: 252.18,90.67 253.6,89.25 v1(264.9,89.25) ; 61.68,90.67 63.1,89.25 v1(74.25,89.25) ; v1(229.75,89.25) 231.8,89.25 233.23,90.67 ; v1(150.65,89.25) 139.35,89.25 137.93,90.67 ; v1(29.5,89.25) 41.25,89.25 42.52,90.52 D28.1 ; v1(153.75,89.25) 155.55,89.25 156.98,90.67 ; v1(6.5,87) 10.53,91.03 D29.1 15.72,89.25 v1(26.75,89.25) ; 271.23,90.67 269.8,89.25 v1(267.75,89.25) ; 251.98,90.67 250.55,89.25 v1(248.5,89.25) ; v1(112.4,89.25) 101.1,89.25 99.68,90.67 ; 118.73,90.67 117.3,89.25 v1(115.25,89.25) ; v1(96.25,89.25) 98.05,89.25 99.48,90.67 ; 42.43,90.67 43.85,89.25 v1(55.15,89.25) ; 175.73,90.67 174.3,89.25 v1(172.5,89.25) ; v1(134.25,89.25) 136.3,89.25 137.73,90.67 ; v1(169.4,89.25) 158.1,89.25 156.68,90.67 ; v1(188.65,89.25) 177.35,89.25 175.93,90.67 ; v1(93.15,89.25) 81.85,89.25 80.43,90.67 ; 194.98,90.67 193.55,89.25 v1(192,89.25) ; v1(58.25,89.25) 60.05,89.25 61.48,90.67 ; v1(226.9,89.25) 215.6,89.25 214.18,90.67 ; v1(77.5,89.25) 79.3,89.25 80.73,90.67 ; v1(210.75,89.25) 212.55,89.25 213.98,90.67 ; v1(207.65,89.25) 196.35,89.25 194.93,90.67 ; v1(245.65,89.25) 234.35,89.25 232.93,90.67 ; 118.68,90.67 120.1,89.25 v1(131.4,89.25)
  Bottom w0.4: v1(210.75,89.25) v1(207.65,89.25) ; v1(192,89.25) v1(188.65,89.25) ; 35.25,20.4 13.25,20.4 12,21.65 12,30.85 11.9,30.85 6.5,36.25 v1(6.5,87) ; 35.25,20.4 39.83,20.4 A1.24 ; 35.25,20.4 34.5,20.4 ; v1(153.75,89.25) v1(150.65,89.25) ; v1(172.5,89.25) v1(169.4,89.25) ; v1(248.5,89.25) v1(245.65,89.25) ; v1(115.25,89.25) v1(112.4,89.25) ; v1(134.25,89.25) v1(131.4,89.25) ; v1(96.25,89.25) v1(93.15,89.25) ; v1(267.75,89.25) v1(264.9,89.25) ; v1(29.5,89.25) v1(26.75,89.25) ; v1(58.25,89.25) v1(55.15,89.25) ; v1(229.75,89.25) v1(226.9,89.25) ; v1(77.5,89.25) v1(74.25,89.25)
Row 3: length 355.9
  Top w0.4: v1(220.25,70.25) 222.05,70.25 223.48,71.67 ; 51.98,71.92 50.3,70.25 v1(48.4,70.25) ; 223.43,71.67 224.85,70.25 v1(236.15,70.25) ; v1(179.15,70.25) 167.85,70.25 166.43,71.67 ; v1(198.15,70.25) 186.85,70.25 185.43,71.67 ; 147.18,71.67 148.6,70.25 v1(159.9,70.25) ; 90.23,71.67 88.8,70.25 v1(86.7,70.25) ; 204.48,71.67 203.05,70.25 v1(201.25,70.25) ; v1(255.25,70.25) 244.1,70.25 242.68,71.67 ; 147.23,71.67 145.8,70.25 v1(144,70.25) ; v1(67.65,70.25) 69.55,70.25 71.23,71.92 ; v1(182.25,70.25) 184.05,70.25 185.48,71.67 ; v1(65.15,70.25) 53.85,70.25 52.18,71.92 ; D31.1 266.36,71.86 264.75,70.25 v1(259,70.25) ; v1(102.9,70.25) 91.6,70.25 90.18,71.67 ; v1(105.75,70.25) 107.8,70.25 109.23,71.67 ; v1(8.8,66.4) 8.45,66.75 8.45,67.02 9.18,67.75 D44.1 10.91,70.25 v1(22,70.25) ; 109.18,71.67 110.6,70.25 v1(121.9,70.25) ; v1(125,70.25) 126.8,70.25 128.23,71.67 ; D43.1 32.99,71.74 31.5,70.25 v1(24.75,70.25) ; 32.93,71.92 34.6,70.25 v1(45.9,70.25) ; v1(83.9,70.25) 72.6,70.25 71.18,71.67 ; v1(217.15,70.25) 205.85,70.25 204.43,71.67 ; 166.23,71.67 164.8,70.25 v1(163,70.25) ; v1(140.9,70.25) 129.6,70.25 128.18,71.67 ; 242.48,71.67 241.05,70.25 v1(239.65,70.25)
  Bottom w0.4: A1.25 37.89,21 34.75,21 ; v1(125,70.25) v1(121.9,70.25) ; v1(220.25,70.25) v1(217.15,70.25) ; 34.75,21 13.5,21 12.75,21.75 12.75,31.75 8.45,36.05 8.45,66.05 v1(8.8,66.4) ; 34.75,21 34.25,21 ; v1(239.65,70.25) v1(236.15,70.25) ; v1(201.25,70.25) v1(198.15,70.25) ; v1(182.25,70.25) v1(179.15,70.25) ; v1(67.65,70.25) v1(65.15,70.25) ; v1(24.75,70.25) v1(22,70.25) ; v1(48.4,70.25) v1(45.9,70.25) ; v1(259,70.25) v1(255.25,70.25) ; v1(86.7,70.25) v1(83.9,70.25) ; v1(144,70.25) v1(140.9,70.25) ; v1(163,70.25) v1(159.9,70.25) ; v1(105.75,70.25) v1(102.9,70.25)
